# Altium PCB LV_breakout_1.PcbDoc (continued)
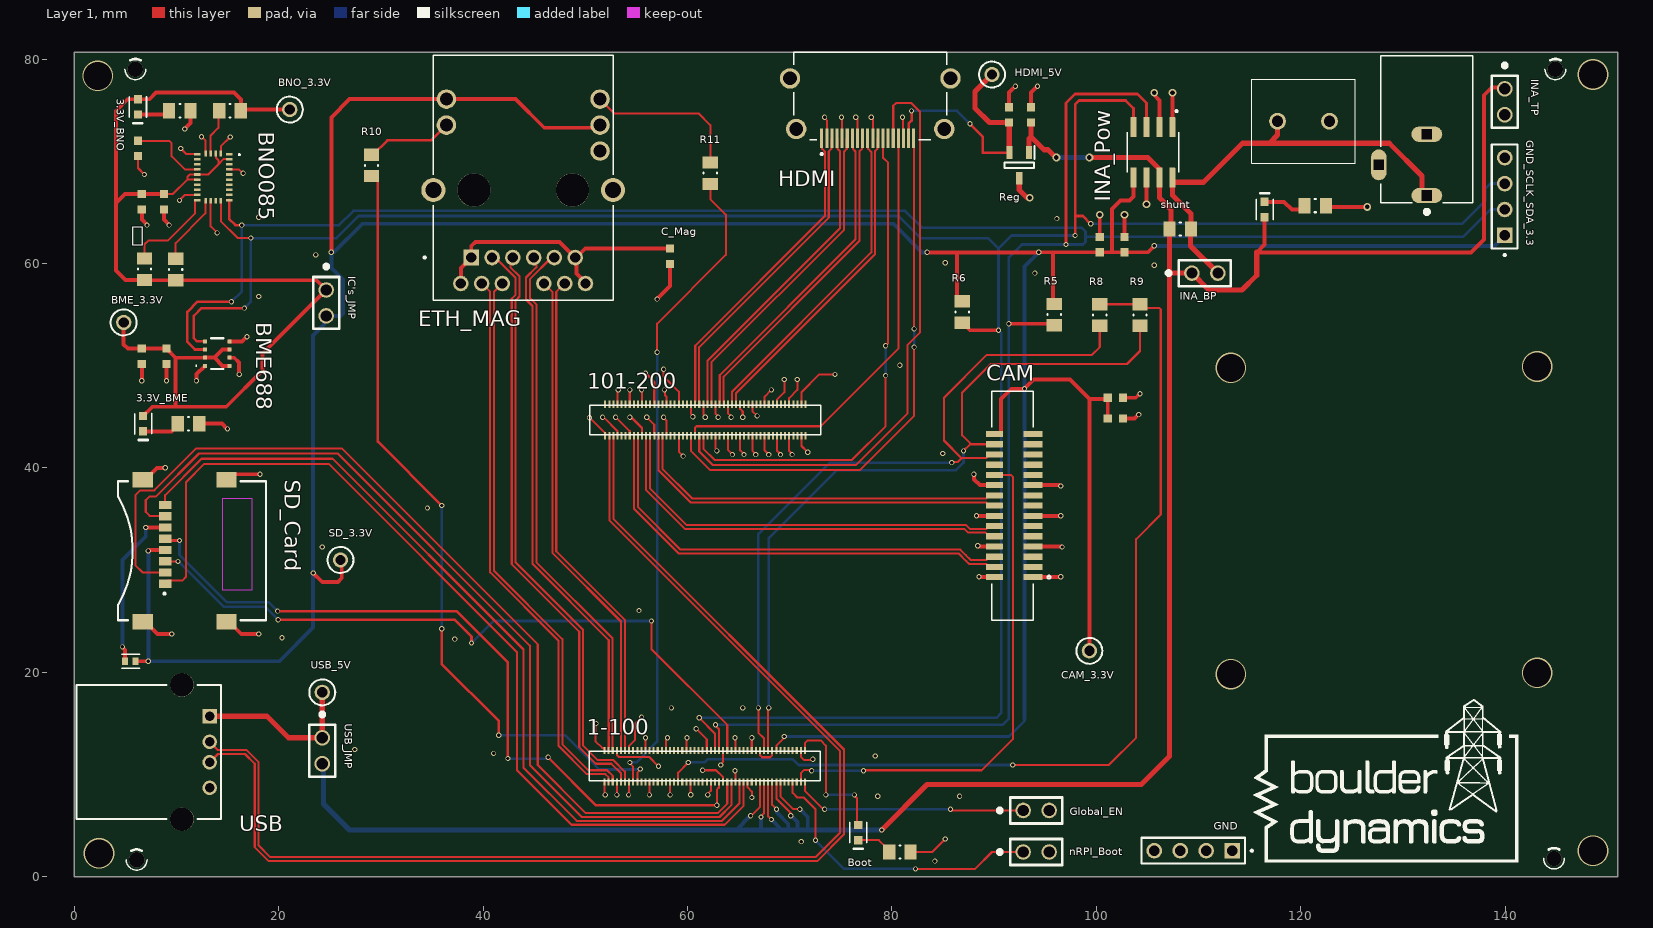
[diagram p0: Layer 1 view]
## Part data (continued)
GND GND_SCLK_SDA_3.3: library part JM_4_PIN_MALE, "Square Pins 2.5mm 6mm -40℃~+105℃ 1 4 3mm 2.54mm Black 1x4P Straight,P=2.54mm  Pin Headers ROHS", LCSC Part#=C2691448, MFR Part #=PZ254V-11-04P, MP=TSW-104-14-S-S
H? H? H? H?: library part H_StencilAllignment_1.5mm, "Stencil Allignment hole for use with 1.5mm pin"
HDMI: "HDMI, Input Output Connectors, Receptacle, Type A, Right Angle, Surface Mount, 19 Positions.", Package=None, Check_prices=https://www.snapeda.com/parts/10029449-111RLF/Amphenol/view-part/?ref=eda, MF="AMPHENOL ICC / FCI", MP=10029449-111RLF, SnapEDA_Link=https://www.snapeda.com/parts/10029449-111RLF/Amphenol/view-part/?ref=snap
INA_Pow: "26V, 12-bit, i2c output current/voltage/power monitor 8-SOIC -40 to 125", Package="SOIC-8 Texas Instruments", Availability=Warning, Check_prices=https://www.snapeda.com/parts/INA219AID/Texas%20Instruments/view-part/522322/?ref=eda, MF="Texas Instruments", MP=INA219AID, Price=None, Purchase-URL=https://pricing.snapeda.com/search/part/INA219AID/?ref=eda, SnapEDA_Link=https://www.snapeda.com/parts/INA219AID/Texas%20Instruments/view-part/522322/?ref=snap
J?: "2.0 x 6.5 mm, 2.5 A, Horizontal, Through Hole, Tapered Pins, Dc Power Jack Connector", Package=None, Availability="In Stock", Check_prices=https://www.snapeda.com/parts/PJ-102A/CUI+Devices/view-part/?ref=eda, CUI_purchase_URL=https://www.cuidevices.com/product/interconnect/connectors/dc-power-connectors/jacks/pj-102a?utm_source=snapeda.com&utm_medium=referral&utm_campaign=snapedaBOM, MF="CUI Devices", MP=PJ-102A, Price=None, Purchase-URL=https://pricing.snapeda.com/search/part/PJ-102A/?ref=eda, SnapEDA_Link=https://www.snapeda.com/parts/PJ-102A/CUI+Devices/view-part/?ref=snap
Reg: "IC PWR SWITCH N-CHAN 1:1 SOT23-3", Manufacturer_Name=RICHTEK, Datasheet Link=https://datasheet.lcsc.com/szlcsc/Richtek-Tech-RT9742ANGJ5F_C147955.pdf, Geometry.Height=1.295mm, Manufacturer_Part_Number=RT9742SNGV
SD_Card: "Micro SD Memory Card ConnectorSMT, Hinged, 1.80mm Profile", Package=None, Availability=Unavailable, MP=MEM2067-02-180-00-A_REVB, Price=None
USB: "USB-A (USB TYPE-A) - Receptacle Connector 4 Position Through Hole, Right Angle", Package=None, Availability="In Stock", Check_prices=https://www.snapeda.com/parts/USB-A1HSW6/On+Shore+Technology+Inc./view-part/?ref=eda, MF="On Shore", MP=USB-A1HSW6, Price=None, Purchase-URL=https://pricing.snapeda.com/search/part/USB-A1HSW6/?ref=eda, SnapEDA_Link=https://www.snapeda.com/parts/USB-A1HSW6/On+Shore+Technology+Inc./view-part/?ref=snap
?: "Fixed Terminal Blocks 5.08MM PCB MOUNT 2P", Manufacturer_Name="TE Connectivity", Mouser Part Number=571-2828372, Arrow Part Number=282837-2, Arrow Price/Stock=https://www.arrow.com/en/products/282837-2/te-connectivity?region=europe, Datasheet Link=https://www.te.com/commerce/DocumentDelivery/DDEController?Action=srchrtrv&DocNm=282837&DocType=Customer+Drawing&DocLang=English&DocFormat=pdf&PartCntxt=282837-2, Geometry.Height=10.3mm, Manufacturer_Part_Number=282837-2, Mouser Price/Stock=https://www.mouser.co.uk/ProductDetail/TE-Connectivity/282837-2?qs=A%252Bip%252BNCYi6O2H0NGWOeAxg%3D%3D
?: library part C_10uF_0402, "10uF ±20% 6.3V X5R 0402 Multilayer Ceramic Capacitors MLCC - SMD/SMT RoHS", LCSC Part#=C15525, MFR Part #=CL05A106MQ5NUNC, Datasheet=https://datasheet.lcsc.com/lcsc/1810191215_Samsung-Electro-Mechanics-CL05A106MQ5NUNC_C15525.pdf, Type=Basic

## Via types
v1: diameter 0.508, hole 0.33, Layer 1 to Layer 4, 178 vias
v2: diameter 0.762, hole 0.457, Layer 1 to Layer 4, 9 vias
v3: diameter 3, hole 2.75, Layer 1 to Layer 4, 8 vias
v4: diameter 1.5, hole 1.5, Layer 1 to Layer 4, 4 vias

## Nets (pads, with @x,y where several pads share a name; then routed paths per layer and width w, separated by ;. In a path a pad name is that pad's centre, name@x,y a point inside that pad or via, vN(x,y) a via of type N, cw(c..) or ccw(c..) an arc to the next point about the centre after c; other vN are vias at no path point)
CAM1_C_N: 101-200.27 CAM.8_1 | length 37.7
  Layer 1 w0.203: 101-200.27 57.143,42.901 57.152,42.892 57.152,40.973 57.153,39.749 60.285,36.616 78.74,36.616 78.867,36.616 79.756,36.616 83.058,36.616 89.209,36.616 89.518,36.307 CAM.8_1
CAM1_C_P: 101-200.29 CAM.9_1 | length 37.1
  Layer 1 w0.203: 101-200.29 57.543,42.901 57.533,42.892 57.533,41.131 57.534,39.906 60.442,36.997 78.74,36.997 78.867,36.997 87.101,36.997 89.006,36.997 89.208,36.997 89.518,37.307 CAM.9_1
CAM1_D0_N: 101-200.15 CAM.2_1 | length 44.8
  Layer 1 w0.203: 101-200.15 54.743,42.901 54.752,42.892 54.752,36.022 59.151,31.623 77.343,31.623 77.597,31.623 77.851,31.623 78.994,31.623 86.524,31.623 87.279,30.868 87.54,30.607 89.218,30.607 89.518,30.307 CAM.2_1
CAM1_D0_P: 101-200.17 CAM.3_1 | length 44.2
  Layer 1 w0.203: 101-200.17 55.143,42.901 55.133,42.892 55.133,36.18 59.309,32.004 77.343,32.004 77.597,32.004 86.682,32.004 87.236,31.45 87.698,30.988 89.199,30.988 89.518,31.307 89.776,31.307 CAM.3_1
CAM1_D1_N: 101-200.21 CAM.5_1 | length 41.3
  Layer 1 w0.203: 101-200.21 55.943,42.696 55.953,42.687 55.953,37.815 59.732,34.036 78.232,34.036 79.248,34.036 87.078,34.036 87.459,33.655 89.17,33.655 89.518,33.307 CAM.5_1
CAM1_D1_P: 101-200.23 CAM.6_1 | length 40.6
  Layer 1 w0.203: 101-200.23 56.343,42.696 56.334,42.687 56.334,37.973 59.89,34.417 78.232,34.417 79.248,34.417 87.236,34.417 87.617,34.036 89.247,34.036 89.268,34.057 89.518,34.307 CAM.6_1
CAM_GPIO: 1-100.97 CAM.11_1 | length 50.5
  Layer 1 w0.203: 1-100.97 71.081,10.121 71.382,10.422 72.078,10.422 v1(72.136,10.363) ; v1(77.216,10.363) 77.267,10.414 88.773,10.414 91.821,13.462 91.821,39.116 91.63,39.307 CAM.11_1
  Layer 4 w0.254: v1(72.136,10.363) v1(77.216,10.363)
CM4_3.3V: 1-100.86 ?.1@100.33,61.099 ?.1@101.104,44.831 ?.1@101.116,46.863 ?.1@102.743,61.099 ?.2@5.969,21.082 CAM.15_1 CAM_3.3V.1 ETH_MAG.14 ETH_MAG.16 GND_SCLK_SDA_3.3.01 IC's_JMP.2 INA_Pow.5 R5.1 R6.1 SD_3.3V.1 SD_Card.4 | length 368.8
  Layer 1 w0.203: 1-100.86 1-100.86 68.683,12.798 69.411,13.526 69.411,13.658 v1(69.469,13.716)
  Layer 1 w0.381: ?.2@5.969,21.082 v1(7.239,21.082) ; v1(7.239,31.877) 7.273,31.877 7.359,31.963 SD_Card.4 ; v1(23.368,29.718) 24.257,28.829 25.781,28.829 26.162,29.21 26.162,30.861 SD_3.3V.1 ; v1(25.146,61.087) 25.146,74.295 26.924,76.073 ETH_MAG.14 43.18,76.073 45.974,73.279 51.181,73.279 ETH_MAG.16 ; v1(83.439,61.087) 86.36,61.087 ; R6.1 86.77,56.295 86.36,56.705 86.36,61.087 ; CAM.15_1 90.568,43.307 90.677,43.416 90.677,46.735 91.67,47.728 92.94,47.728 v1(92.964,47.752) 93.853,48.641 97.409,48.641 99.314,46.736 ; R5.1@96.012,56.168 95.758,56.422 95.758,61.093 ; CAM_3.3V.1 99.314,46.736 ; ?.1@101.104,44.831 101.11,44.837 ?.1@101.11,46.857 ; ?.1@101.116,46.863 ?.1@101.11,46.857 ; INA_Pow.5@103.632,68.523 INA_Pow.5 103.632,66.548 103.251,66.167 102.362,66.167 101.536,65.341 101.536,61.099 ; v1(105.664,61.722) 105.041,61.099 102.743,61.099 101.536,61.099 ; 86.36,61.087 v1(94.361,61.087) 94.367,61.093 95.758,61.093 ; 95.758,61.093 100.324,61.093 100.33,61.099 101.536,61.099 ; 99.314,46.736 100.989,46.736 ?.1@101.11,46.857
  Layer 4 w0.254: v1(69.469,13.716) 91.44,13.716 92.964,15.24 92.964,15.494
  Layer 4 w0.381: v1(7.239,31.877) v1(7.239,21.082) 20.066,21.082 23.368,24.384 v1(23.368,29.718) 23.368,52.959 24.419,54.01 24.419,54.645 IC's_JMP.2 26.066,54.864 26.289,55.087 26.289,58.42 25.146,59.563 v1(25.146,61.087) 25.17,61.111 25.424,61.111 28.194,63.881 80.137,63.881 82.931,61.087 v1(83.439,61.087) ; 92.964,15.494 92.964,59.69 v1(94.361,61.087) ; v1(105.664,61.722) 138.938,61.722 GND_SCLK_SDA_3.3.01
ETH_GRE_LED: 1-100.15 R11.1 | length 63.5
  Layer 1 w0.203: v1(54.356,11.176) 54.356,11.094 54.681,10.769 1-100.15 ; v1(57.023,51.308) 57.023,54.102 63.754,60.833 63.754,64.77 62.23,66.294 R11.1
  Layer 4 w0.254: v1(54.356,11.176) 54.991,11.176 57.023,13.208 v1(57.023,51.308)
ETH_PAIR0_N: 1-100.10 ETH_MAG.10 | length 48.8
  Layer 1 w0.203: ETH_MAG.10 46.774,57.213 46.774,31.681 53.491,24.965 53.491,12.607 53.481,12.598 1-100.10
ETH_PAIR0_P: 1-100.12 ETH_MAG.11 | length 48.8
  Layer 1 w0.203: ETH_MAG.11 47.155,57.213 47.155,31.839 53.872,25.122 53.872,12.607 53.881,12.598 1-100.12
ETH_PAIR1_N: 1-100.6 ETH_MAG.5 | length 52.7
  Layer 1 w0.203: ETH_MAG.5 46.69,60.579 44.577,58.466 44.577,56.625 45.212,55.99 45.212,53.721 45.212,30.765 52.671,23.305 52.671,12.607 52.681,12.598 1-100.6
ETH_PAIR1_P: 1-100.4 ETH_MAG.4 | length 52.3
  Layer 1 w0.203: ETH_MAG.4 45.208,60.579 45.185,60.557 45.185,59.817 45.203,59.8 45.203,59.631 44.196,58.624 44.196,56.467 44.831,55.832 44.831,54.864 44.831,53.721 44.831,53.467 44.831,30.607 52.29,23.148 52.29,12.607 52.281,12.598 1-100.4
ETH_PAIR2_N: 1-100.9 ETH_MAG.2 | length 57.9
  Layer 1 w0.203: ETH_MAG.2 41.179,60.579 43.18,58.578 43.18,56.927 42.799,56.546 42.799,30.576 49.403,23.972 49.403,12.669 51.023,11.049 52.548,11.049 53.491,10.107 53.491,9.527 53.481,9.518 1-100.9
ETH_PAIR2_P: 1-100.11 ETH_MAG.3 | length 57.5
  Layer 1 w0.203: ETH_MAG.3 42.59,60.579 42.666,60.503 42.666,59.631 43.561,58.736 43.561,56.769 43.18,56.388 43.18,56.007 43.18,53.975 43.18,53.848 43.18,30.734 49.784,24.13 49.784,12.827 51.181,11.43 52.706,11.43 53.872,10.264 53.872,9.527 53.881,9.518 1-100.11
ETH_PAIR3_N: 1-100.5 ETH_MAG.9 | length 55
  Layer 1 w0.203: ETH_MAG.9 41.059,57.213 41.059,29.934 47.752,23.241 47.752,12.954 50.292,10.414 52.122,10.414 52.679,9.857 52.679,9.273 1-100.5
ETH_PAIR3_P: 1-100.3 ETH_MAG.8 | length 55
  Layer 1 w0.203: ETH_MAG.8 40.678,57.213 40.678,29.776 47.371,23.083 47.371,12.796 50.134,10.033 51.964,10.033 52.279,9.718 52.279,9.273 1-100.3
ETH_YEL_LED: 1-100.17 R10.1 | length 76.6
  Layer 1 w0.203: 1-100.17 55.081,10.168 55.372,10.459 v1(55.372,10.541)
  Layer 1 w0.254: R10.1 29.233,68.546 29.706,68.073 29.706,42.557 v1(35.941,36.322) ; v1(35.941,24.257) 35.941,20.828 41.529,15.24 v1(41.529,13.843)
  Layer 4 w0.254: v1(35.941,24.257) v1(35.941,36.322) ; v1(41.529,13.843) 48.006,13.843 51.359,10.49 54.841,10.49 54.844,10.492 55.323,10.492 v1(55.372,10.541)
Global_EN: 1-100.99 Global_EN.1 | length 23
  Layer 1 w0.203: 1-100.99 71.481,8.402 73.279,6.604 v1(73.406,6.604) ; v1(85.725,6.604) 85.807,6.604 85.934,6.477 Global_EN.1
  Layer 4 w0.254: v1(73.406,6.604) v1(85.725,6.604)
GND: 1-100.1 1-100.2 1-100.7 1-100.8 1-100.13 1-100.14 1-100.22 1-100.23 1-100.32 1-100.33 1-100.42 1-100.43 1-100.52 1-100.53 1-100.59 1-100.60 1-100.65 1-100.66 1-100.71 1-100.74 1-100.98 101-200.1 101-200.7 101-200.8 101-200.13 101-200.14 101-200.19 101-200.20 101-200.25 101-200.26 101-200.31 101-200.32 101-200.37 101-200.38 101-200.44 101-200.50 101-200.55 101-200.56 101-200.61 101-200.62 101-200.67 101-200.68 101-200.73 101-200.74 101-200.79 101-200.80 101-200.85 101-200.86 101-200.91 101-200.92 101-200.97 101-200.98 ?.1@11.371,74.93 ?.2@6.223,70.497 ?.2@6.604,50.165 ?.2@6.604,65.29 ?.2@8.763,65.29 ?.2@9.017,50.165 ?.2@12.226,44.323 ?.2@81.822,2.413 ?.2@91.44,75.287 ?.2@93.599,75.287 ?.2@100.33,62.599 ?.2@102.604,44.831 ?.2@102.616,46.863 ?.2@102.743,62.599 ?.2@122.462,65.659 ?.2@122.809,73.914 BME688.1 BME688.5 BME688.7 BNO085.2 BNO085.5 BNO085.6 BNO085.14 BNO085.17 BNO085.26 C_Mag.2 CAM.1 CAM.1_1 CAM.4 CAM.4_1 CAM.7 CAM.7_1 CAM.10 CAM.10_1 ETH_MAG.S1 ETH_MAG.S2 Global_EN.2 GND.01 GND.02 GND.03 GND.04 GND_SCLK_SDA_3.3.04 HDMI.2 HDMI.5 HDMI.8 HDMI.11 HDMI.17 HDMI.S1 HDMI.S2 HDMI.S3 HDMI.S4 INA_Pow.1 INA_Pow.2 INA_Pow.6 INA_TP.2 J?.2 nRPI_Boot.2 Reg.3 SD_Card.9 SD_Card.10 SD_Card.11 SD_Card.12 USB.4 | length 215.1
  Layer 1 w0.203: ?.2@6.223,70.497 6.223,69.342 v1(6.858,68.707) ; v1(10.287,66.167) 10.823,66.703 BNO085.14 ; v1(10.414,71.247) 10.958,70.703 BNO085.6 ; v1(12.446,72.39) 12.446,72.386 12.839,71.993 BNO085.5 ; BNO085.17 13.339,63.623 v1(13.97,62.992) ; BNO085.2 14.339,71.461 v1(15.254,72.376) ; BNO085.26 16.089,69.203 16.458,68.834 v1(16.51,68.834) ; v1(50.394,44.9) 50.438,44.9 51.943,43.395 101-200.1 ; v1(51.054,14.986) 50.996,14.928 50.996,14.725 50.985,14.715 50.985,13.269 51.655,12.599 51.879,12.599 51.881,12.598 1-100.2 ; v1(51.689,44.958) 51.747,44.9 51.836,44.9 53.141,43.595 53.141,43.15 101-200.7 ; 1-100.1 51.881,8.145 51.943,8.083 v1(51.943,8.001) ; v1(52.959,44.958) 52.978,44.958 54.341,43.595 54.341,43.15 101-200.13 ; 1-100.8@53.079,12.349 1-100.8 53.083,12.349 53.083,11.904 53.265,11.722 56.223,11.722 v1(57.15,10.795) ; 1-100.7 53.083,9.269 53.083,8.004 v1(53.086,8.001) ; 101-200.8 53.143,47.473 53.213,47.543 v1(53.213,47.625) ; v1(54.229,8.001) 54.279,8.051 54.279,9.269 1-100.13 ; 1-100.14 54.281,12.796 54.864,13.379 54.864,14.986 v1(55.499,15.621) ; 101-200.14 54.345,46.23 54.345,47.614 v1(54.356,47.625) ; v1(54.356,44.958) 54.438,44.958 54.567,44.83 54.611,44.83 55.543,43.898 101-200.19 ; v1(55.499,47.625) 55.541,47.583 55.541,46.23 101-200.20 ; 1-100.22 v1(55.88,13.589) ; v1(55.88,49.276) 56.743,48.413 101-200.26 ; v1(56.007,44.958) 56.743,44.222 101-200.25 ; v1(56.261,8.001) 56.279,8.019 56.279,9.269 1-100.23 ; v1(57.658,44.958) 57.658,44.876 57.943,44.591 101-200.31 ; v1(57.658,49.657) 57.658,48.94 59.143,47.455 101-200.38 ; v1(57.734,47.625) 57.793,47.567 57.793,47.113 57.941,46.965 57.941,46.23 101-200.32 ; 1-100.32 57.881,13.349 58.039,13.507 v1(58.039,13.589) ; 1-100.33 58.283,9.269 58.283,8.011 v1(58.293,8.001) ; 101-200.37 59.143,41.568 v1(59.563,41.148) ; 1-100.42 59.881,13.444 59.944,13.507 v1(59.944,13.589) ; 1-100.43 60.283,9.269 60.283,8.043 v1(60.304,8.022) ; 101-200.44 60.343,45.254 60.521,45.077 v1(60.521,44.994) ; v1(60.833,14.478) 61.879,13.432 61.879,12.353 1-100.52 ; v1(61.468,10.414) 62.783,10.414 63.479,9.718 63.479,9.273 1-100.59 ; 101-200.50 61.543,45.219 61.722,45.04 v1(61.722,44.958) ; v1(61.976,8.001) 61.976,8.083 62.281,8.388 1-100.53 ; 101-200.55 62.743,41.86 62.865,41.738 v1(62.865,41.656) ; 101-200.56 62.743,45.289 62.992,45.04 v1(62.992,44.958) ; v1(63.246,10.922) 63.246,11.004 63.481,11.239 1-100.60 ; 101-200.61 63.943,41.788 64.389,41.342 v1(64.389,41.3) ; 101-200.62 63.943,45.359 64.262,45.04 v1(64.262,44.958) ; v1(64.643,10.363) 64.679,10.327 64.679,9.273 1-100.65 ; v1(64.643,13.589) 64.679,13.553 64.679,12.353 1-100.66 ; 101-200.67 65.143,41.715 65.519,41.339 v1(65.519,41.3) ; 101-200.68 65.145,46.226 65.145,45.774 65.402,45.517 65.402,44.961 v1(65.405,44.958) ; 1-100.71 65.883,9.269 65.883,8.737 66.294,8.325 v1(66.294,7.747) ; 1-100.74 66.283,12.353 66.283,13.578 v1(66.294,13.589) ; 101-200.73 66.343,41.689 66.675,41.357 v1(66.675,41.3) ; 101-200.74 66.343,45.544 v1(66.802,45.085) ; 101-200.79 67.543,41.702 v1(67.945,41.3) ; 101-200.80 67.543,46.969 v1(68.199,47.625) ; 101-200.85 68.743,41.702 69.088,41.357 v1(69.088,41.3) ; 101-200.86 68.745,46.23 68.745,46.675 69.469,47.399 v1(69.469,48.641) ; 101-200.91 69.943,41.645 70.231,41.357 v1(70.231,41.3) ; 101-200.92 69.943,46.829 70.739,47.625 v1(70.739,48.641) ; 1-100.98 71.081,11.723 71.374,11.43 72.212,11.43 v1(72.263,11.481) ; 101-200.97 71.143,42.141 v1(71.755,41.529) ; 101-200.98 71.143,47.394 72.898,49.149 v1(74.422,49.149) ; v1(73.406,74.295) 73.406,74.213 73.625,73.994 HDMI.2 ; v1(75.057,74.295) 75.091,74.261 75.091,72.289 HDMI.5 ; v1(76.454,74.295) 76.454,74.213 76.625,74.042 HDMI.8 ; v1(77.978,74.295) 77.978,74.213 78.125,74.066 HDMI.11 ; v1(81.026,74.295) 81.077,74.244 81.077,72.303 HDMI.17 ; ?.2@81.822,2.413 83.947,2.413 v1(85.217,3.683)
  Layer 1 w0.381: v1(6.604,48.514) ?.2@6.604,50.165 ; ?.2@6.604,65.29 6.604,64.296 7.112,63.788 v1(7.112,63.754) ; SD_Card.12 6.94,24.943 8.134,23.749 v1(9.525,23.749) ; SD_Card.9 6.94,38.833 8.088,39.981 8.866,39.981 v1(8.89,40.005) ; ?.2@8.763,65.29 8.763,64.296 9.271,63.788 v1(9.271,63.754) ; v1(9.017,48.514) ?.2@9.017,50.165 ; v1(10.795,73.152) 11.371,73.728 ?.1@11.371,74.93 ; v1(11.938,48.514) 11.962,48.538 11.962,49.173 BME688.1 ; ?.2@12.226,44.323 14.444,44.323 14.952,43.815 v1(14.986,43.815) ; SD_Card.11 15.14,24.943 16.334,23.749 v1(18.034,23.749) ; SD_Card.10 15.427,39.37 v1(18.161,39.37) ; BME688.7 15.179,50.772 15.649,50.772 16.129,50.292 v1(16.129,49.149) ; BME688.5 16.406,52.381 16.857,52.832 v1(16.891,52.832) ; v1(57.023,56.515) 58.293,57.785 C_Mag.2 ; v1(88.011,39.37) 88.035,39.346 88.035,38.872 88.6,38.307 CAM.10_1 ; v1(88.265,35.306) CAM.7_1 ; v1(88.392,32.385) 88.426,32.385 88.504,32.307 CAM.4_1 ; v1(88.519,29.337) 88.534,29.322 90.028,29.322 CAM.1_1 ; ?.2@91.44,75.287 91.44,76.708 v1(92.075,77.343) ; ?.2@93.599,75.287 93.599,76.708 v1(94.234,77.343) ; CAM.1 93.808,29.322 96.505,29.322 v1(96.52,29.337) ; CAM.4 96.564,32.307 96.613,32.258 v1(96.647,32.258) ; CAM.7@93.793,35.307 v1(96.52,35.306) ; CAM.10 96.406,38.307 96.486,38.227 v1(96.52,38.227) ; ?.2@100.33,62.599 v2(100.33,64.77) ; ?.2@102.604,44.831 103.725,44.831 104.106,45.212 v1(104.14,45.212) ; ?.2@102.616,46.863 103.852,46.863 104.233,47.244 v1(104.267,47.244) ; ?.2@102.743,62.599 v2(102.743,64.77) ; v2(104.902,65.786) INA_Pow.6@104.902,68.523 ; v2(105.664,76.708) 105.664,76.467 106.172,75.959 INA_Pow.2@106.172,73.463 ; INA_Pow.1@107.442,73.463 v2(107.442,76.708) ; ?.2@122.462,65.659 122.589,65.532 v2(126.492,65.532)
  Layer 1 w0.508: Reg.3 92.456,67.183 93.218,66.421 v2(93.472,66.421) ; v2@126.428,65.596 v2(126.492,65.532)
  other v1: 84.201,1.524 71.12,3.429 78.613,7.874 86.614,7.874 78.359,11.811 41.021,12.065 27.432,12.446 58.42,16.51 65.405,16.51 37.211,23.241 20.32,23.368 55.245,26.035 24.257,32.258 34.544,36.068 84.963,41.402 80.772,50.038 18.034,56.769 93.98,59.055 105.664,59.817 85.217,60.071 23.622,60.833 96.139,64.389 18.034,64.516
GPIO7_REF: 1-100.37 R8.2 R9.2 | length 96.7
  Layer 1 w0.203: 1-100.37 59.081,10.186 v1(60.071,11.176) ; v1(91.821,10.922) 101.219,10.922 103.886,13.589 103.886,33.02 106.299,35.433 106.299,55.507 106.18,55.626 104.648,55.626 R9.2 R8.2
  Layer 4 w0.254: v1(60.071,11.176) 61.656,11.176 61.961,11.481 70.307,11.481 70.866,10.922 v1(91.821,10.922)
GPIO_VREF: 1-100.78 1-100.84 | length 2.3
  Layer 1 w0.203: 1-100.78 67.081,11.906 67.303,11.684 68.072,11.684 68.279,11.891 68.279,12.349 1-100.84
HDMI1_CEC: 101-200.49 HDMI.13 | length 49.4
  Layer 1 w0.203: 101-200.49 101-200.49 61.545,41.864 62.642,40.767 76.073,40.767 79.375,44.069 v1(79.375,49.022) ; HDMI.13 79.121,72.251 79.121,70.358 79.629,69.85 79.629,52.214 79.375,51.96 v1(79.375,51.943)
  Layer 4 w0.254: v1(79.375,49.022) v1(79.375,51.943)
HDMI1_CK_N: 101-200.66 HDMI.12 | length 31.8
  Layer 1 w0.203: 101-200.66 64.743,46.475 64.734,46.484 64.734,47.304 78.359,60.929 78.359,70.994 78.577,71.211 78.577,71.335 78.577,72.207 HDMI.12
HDMI1_CK_P: 101-200.64 HDMI.10 | length 31.8
  Layer 1 w0.203: 101-200.64 64.343,46.475 64.353,46.484 64.353,47.462 77.978,61.087 77.978,70.907 77.673,71.211 77.673,72.207 HDMI.10
HDMI1_D0_N: 101-200.60 HDMI.9 | length 31.7
  Layer 1 w0.203: 101-200.60 63.543,46.475 63.534,46.484 63.534,48.917 76.816,62.199 76.816,70.95 77.077,71.211 77.077,72.207 HDMI.9
HDMI1_D0_P: 101-200.58 HDMI.7 | length 31.7
  Layer 1 w0.203: 101-200.58 63.143,46.475 63.153,46.484 63.153,49.075 76.435,62.357 76.435,70.95 76.173,71.211 76.173,72.207 HDMI.7
HDMI1_D2_N: 101-200.48 HDMI.3 | length 31.4
  Layer 1 w0.203: 101-200.48 61.143,46.475 61.134,46.484 61.134,51.803 73.816,64.485 73.816,70.95 74.077,71.211 74.077,72.207 HDMI.3
HDMI1_D2_P: 101-200.46 HDMI.1 | length 31.4
  Layer 1 w0.203: 101-200.46 60.743,46.475 60.753,46.484 60.753,51.961 73.435,64.643 73.435,70.95 73.173,71.211 73.173,72.207 HDMI.1
HDMI1_HOTPLUG: 101-200.43 HDMI.19 | length 53.5
  Layer 1 w0.203: 101-200.43 60.343,41.638 62.205,39.776 76.86,39.776 82.169,45.085 v1(82.169,51.816) ; HDMI.19 82.147,72.233 82.147,53.616 v1(82.169,53.594) v1@82.198,53.623
  Layer 4 w0.254: v1(82.169,51.816) v1(82.169,53.594)
HDMI1_SCL: 101-200.47 HDMI.15 | length 60.8
  Layer 1 w0.203: 101-200.47 61.143,41.6 62.484,40.259 76.454,40.259 81.534,45.339 81.534,52.039 82.728,53.233 82.728,74.872 81.907,75.692 80.391,75.692 80.125,75.426 HDMI.15
HDMI1_SDA: 101-200.45 HDMI.16 | length 44.5
  Layer 1 w0.203: 101-200.45 60.743,43.95 60.862,44.069 73.025,44.069 80.645,51.689 80.645,72.235 HDMI.16
HDMI_5V: ?.1@91.44,73.787 HDMI.18 HDMI_5V.1 Reg.2 | length 25.8
  Layer 1 w0.254: HDMI.18 81.625,73.687 81.915,73.977 v1(81.915,74.93) ; v1(87.63,73.66) 88.88,72.41 88.88,70.846 Reg.2
  Layer 1 w0.508: HDMI_5V.1 88.138,76.835 88.138,75.184 89.535,73.787 91.44,73.787 91.472,73.755 91.472,70.878 Reg.2
  Layer 4 w0.254: v1(81.915,74.93) 86.36,74.93 v1(87.63,73.66)
HDMI_D1_N: 101-200.54 HDMI.6 | length 31.5
  Layer 1 w0.203: 101-200.54 62.343,46.475 62.333,46.484 62.333,50.33 75.316,63.312 75.316,70.231 75.316,70.739 75.316,70.95 75.577,71.211 75.577,72.207 HDMI.6
HDMI_D1_P: 101-200.52 HDMI.4 | length 31.5
  Layer 1 w0.203: 101-200.52 61.943,46.475 61.952,46.484 61.952,50.488 74.935,63.47 74.935,69.596 74.935,70.104 74.935,70.231 74.935,70.739 74.935,70.95 74.673,71.211 74.673,72.207 HDMI.4
I2C_CAM_SCLK: 1-100.80 CAM.13_1 R8.1 | length 73.8
  Layer 1 w0.203: v1(66.929,16.51) 66.929,14.097 67.481,13.545 1-100.80 ; v1(85.852,40.513) 85.903,40.564 86.411,40.564 86.804,40.957 ; CAM.13_1 89.518,41.307 89.32,41.109 89.32,41.077 89.201,40.957 86.804,40.957 ; R8.1 100.33,51.816 99.568,51.054 89.281,51.054 85.09,46.863 85.09,42.672 86.804,40.957
  Layer 4 w0.254: v1(66.929,16.51) 66.929,33.528 73.914,40.513 v1(85.852,40.513)
I2C_CAM_SDA: 1-100.82 CAM.14_1 R9.1 | length 74.5
  Layer 1 w0.203: 1-100.82 67.881,16.364 67.945,16.428 v1(67.945,16.51) ; v1(86.995,41.656) 87.646,42.307 87.741,42.307 ; CAM.14_1 87.741,42.307 ; R9.1@104.117,53.907 R9.1 104.267,51.435 102.997,50.165 89.662,50.165 86.868,47.371 86.868,43.18 87.741,42.307
  Layer 4 w0.254: v1(67.945,16.51) 67.945,33.147 74.549,39.751 86.233,39.751 86.995,40.513 v1(86.995,41.656)
I2C_SCLK: 1-100.56 BME688.4 BNO085.19 GND_SCLK_SDA_3.3.03 INA_Pow.4 R6.2 | length 253.2
  Layer 1 w0.203: BNO085.19 14.339,64.147 16.002,62.484 v1(17.272,62.484) ; v1(61.136,15.543) 62.681,13.997 1-100.56
  Layer 1 w0.254: BME688.4 12.008,52.381 11.684,52.705 11.684,54.864 12.446,55.626 v1(16.637,55.626) ; v1(97.917,62.738) 97.917,64.77 ; v1(99.441,63.881) 98.679,64.643 98.044,64.643 97.917,64.77 ; INA_Pow.4@103.632,73.463 103.632,75.173 102.859,75.946 98.298,75.946 97.917,75.565 97.917,64.77
  Layer 1 w0.381: R6.2 87.018,54.195 87.428,53.785 87.428,53.69 87.651,53.467 v1(90.424,53.467)
  Layer 4 w0.254: v1(16.637,55.626) 17.272,56.261 v1(17.272,62.484) 25.654,62.484 27.813,64.643 80.645,64.643 82.804,62.484 89.408,62.484 90.424,61.468 ; v1(61.136,15.543) 90.219,15.543 90.678,16.002 90.678,53.191 90.424,53.445 90.424,61.468 ; v1(97.917,62.738) 91.694,62.738 90.424,61.468 ; v1(99.441,63.881) 135.763,63.881 138.049,66.167 138.049,67.31 138.557,67.818 GND_SCLK_SDA_3.3.03
I2C_SDA: 1-100.58 BME688.3 BNO085.20 GND_SCLK_SDA_3.3.02 INA_Pow.3 R5.2 | length 262.1
  Layer 1 w0.203: v1(62.738,14.859) 62.738,14.777 63.081,14.434 1-100.58
  Layer 1 w0.254: BME688.3 11.792,51.581 11.049,52.324 11.049,55.245 12.065,56.261 v1(15.367,56.261) ; BNO085.20 15.152,64.35 15.748,63.754 v1(16.383,63.754) ; v1(97.028,61.849) 97.028,75.692 97.917,76.581 104.013,76.581 104.902,75.692 INA_Pow.3@104.902,73.463
  Layer 1 w0.381: v1(91.44,54.102) 95.978,54.102 R5.2@96.012,54.068
  Layer 4 w0.254: v1(15.367,56.261) 16.383,57.277 v1(16.383,63.754) 25.908,63.754 27.305,65.151 81.28,65.151 82.931,63.5 98.552,63.5 98.933,63.119 98.933,62.611 ; v1(62.738,14.859) 90.805,14.859 91.44,15.494 v1(91.44,54.102) 91.44,60.579 92.71,61.849 v1(97.028,61.849) 98.679,61.849 98.933,62.103 98.933,62.611 ; GND_SCLK_SDA_3.3.02 138.557,65.278 135.89,62.611 98.933,62.611
IC_POW: 3.3V_BME.1 3.3V_BNO.1 .1 ?.1@6.604,51.665 ?.1@6.604,66.79 ?.1@8.763,66.79 ?.1@9.017,51.665 ?.1@9.906,58.352 BME688.2 BME688.6 BME688.8 BME_3.3V.1 BNO085.3 BNO085.10 BNO085.11 BNO085.28 BNO_3.3V.1 IC's_JMP.1 r.1 | length 115.3
  Layer 1 w0.203: ?.1@8.763,66.79 9.64,66.79 11.053,68.203 ; BNO085.11 11.053,68.203 ; BNO085.3 13.856,70.749 13.856,70.345 13.884,70.317 14.1,70.101 14.1,69.719 ; BNO085.28 14.584,70.203 14.1,69.719 ; 11.053,68.203 11.053,68.457 11.303,68.707 12.022,68.707 BNO085.10 13.084,68.703 14.1,69.719
  Layer 1 w0.381: BME_3.3V.1@4.699,54.356 4.699,54.102 4.826,53.975 4.826,52.07 5.231,51.665 6.604,51.665 9.017,51.665 9.906,50.776 ; 3.3V_BME.1 7.632,45.974 9.906,45.974 ; ?.1@8.763,66.79 6.604,66.79 6.592,66.802 4.953,66.802 4.064,65.913 ; BME688.8 14.497,49.981 13.697,50.781 ; BME688.6 14.497,51.581 13.697,50.781 ; r.1 16.417,75.057 BNO_3.3V.1 ; r.1@16.29,75.057 16.29,76.039 15.621,76.708 8.001,76.708 7.354,76.061 3.3V_BNO.1 5.195,76.061 4.064,74.93 4.064,65.913 ; 4.064,65.913 4.064,59.309 4.987,58.386 .1 6.892,58.352 23.69,58.352 IC's_JMP.1 18.415,51.181 18.415,49.53 14.859,45.974 9.906,45.974 ; 9.906,45.974 9.906,50.776 ; 9.906,50.776 12.765,50.776 BME688.2 13.697,50.781
Net1-100_100: 1-100.100 Boot.1 | length 13.8
  Layer 1 w0.203: 1-100.100 71.481,13.061 71.755,13.335 73.025,13.335 73.533,12.827 v1(73.533,8.001) ; v1(76.327,8.001) 76.327,7.919 76.581,7.665 76.581,5.195 Boot.1
  Layer 4 w0.254: v1(73.533,8.001) v1(76.327,8.001)
Net3.3V_BME_2: 3.3V_BME.2 ?.1@10.126,44.323 | length 3.8
  Layer 1 w0.381: 3.3V_BME.2 9.526,43.573 10.126,44.173 ?.1@10.126,44.323
Net3.3V_BNO_2: 3.3V_BNO.2 ?.2@9.271,74.93 | length 3.2
  Layer 1 w0.381: 3.3V_BNO.2 8.902,74.561 ?.2@9.271,74.93
Net?_1: ?.1@79.722,2.413 Boot.2 | length 3.6
  Layer 1 w0.203: Boot.2 78.717,3.568 79.619,2.666 ?.1@79.619,2.31
Net_1: ?.1@120.362,65.659 ?.2@116.459,66.028 | length 4.4
  Layer 1 w0.381: ?.2@116.459,66.028 118.376,66.028 119.126,65.278 119.981,65.278 ?.1@120.362,65.659
Net_1: ?.1@4.969,21.082 SD_Card.6 | length 16.1
  Layer 1 w0.381: v1(4.699,22.479) 4.699,22.445 4.969,22.175 4.969,21.082 ?.1@4.965,21.086 ; v1(6.985,34.163) SD_Card.6
  Layer 4 w0.381: v1(4.699,22.479) 4.699,30.988 6.985,33.274 v1(6.985,34.163)
Net_1: ?.1@6.223,71.997 BNO085.9 | length 7.7
  Layer 1 w0.203: ?.1@6.223,71.997 9.283,71.997 9.525,71.755 9.525,70.485 10.807,69.203 BNO085.9
Net_2: ?.2@9.906,60.452 BNO085.16 | length 6.9
  Layer 1 w0.203: ?.2@9.906,60.452 9.906,61.976 12.827,64.897 12.827,66.128 BNO085.16
Net_2: .2 BNO085.15 | length 9.1
  Layer 1 w0.203: .2 6.858,61.849 7.239,62.23 9.144,62.23 11.79,64.876 11.79,66.18 11.814,66.203 BNO085.15
NetBNO085_4: BNO085.4 r.2 | length 4.6
  Layer 1 w0.203: BNO085.4 13.339,72.521 14.097,73.279 14.097,74.964 r.2@14.19,75.057
NetC_Mag_1: C_Mag.1 ETH_MAG.1 ETH_MAG.6 ETH_MAG.7 ETH_MAG.12 | length 27.7
  Layer 1 w0.381: ETH_MAG.7 37.821,59.563 ETH_MAG.1 38.837,61.697 39.243,62.103 47.473,62.103 ETH_MAG.6 ; ETH_MAG.12 50.013,58.13 49.115,59.028 49.115,60.46 ETH_MAG.6 ; C_Mag.1 58.281,61.468 49.993,61.468 49.104,60.579 ETH_MAG.6
NetETH_MAG_13: ETH_MAG.13 R10.2 | length 8.5
  Layer 1 w0.254: R10.2 29.233,70.646 30.63,72.043 34.908,72.043 ETH_MAG.13
NetETH_MAG_17: ETH_MAG.17 R11.2 | length 15.5
  Layer 1 w0.203: ETH_MAG.17 52.832,74.676 61.087,74.676 62.23,73.533 R11.2
NetUSB_1: USB.1 USB_5V.1 USB_JMP.1 | length 16.3
  Layer 1 w0.508: USB.1 18.852,15.692 20.955,13.589 USB_JMP.1 USB_5V.1
nRPI_Boot: 1-100.93 nRPI_Boot.1 | length 29.2
  Layer 1 w0.203: 1-100.93 70.281,8.205 70.739,7.747 71.374,7.747 72.517,6.604 v1(72.517,3.556) ; v1(82.296,0.762) 88.138,0.762 89.789,2.413 nRPI_Boot.1
  Layer 4 w0.254: v1(72.517,3.556) 75.311,0.762 v1(82.296,0.762)
SD_CLK: 1-100.57 SD_Card.5 | length 73.6
  Layer 1 w0.203: v1(62.865,6.985) 62.865,8.509 63.081,8.725 1-100.57
  Layer 1 w0.254: SD_Card.5 9.06,32.893 v1(10.287,32.893) ; v1(19.89,25.986) 37.387,25.986 42.418,20.955 v1(42.418,11.557) ; v1(46.355,11.684) 51.054,6.985 v1(62.865,6.985)
  Layer 4 w0.254: v1(10.287,32.893) 10.287,31.496 14.935,26.848 19.027,26.848 v1(19.89,25.986) ; v1(42.418,11.557) 46.159,11.557 46.286,11.684 v1(46.355,11.684)
SD_CMD: 1-100.62 SD_Card.3 | length 67.9
  Layer 1 w0.203: SD_Card.3 8.906,30.847 v1(10.146,30.847) ; v1(56.464,25.019) 56.464,22.276 63.881,14.859 1-100.62
  Layer 1 w0.254: v1(19.939,25.146) 37.211,25.146 38.862,23.495 v1(38.862,22.86)
  Layer 4 w0.254: v1(10.146,30.847) 10.174,30.847 14.605,26.416 18.669,26.416 v1(19.939,25.146) ; v1(38.862,22.86) 41.021,25.019 v1(56.464,25.019)
SD_DAT0: 1-100.63 SD_Card.7 | length 86.7
  Layer 1 w0.203: SD_Card.7 8.847,35.306 7.366,35.306 6.985,35.687 6.985,36.83 7.366,37.211 8.001,37.211 12.192,41.402 25.781,41.402 44.577,22.606 44.577,10.922 49.657,5.842 63.119,5.842 64.281,7.004 1-100.63
SD_DAT1: 1-100.67 SD_Card.8 | length 82.9
  Layer 1 w0.203: SD_Card.8 8.89,37.338 12.446,40.894 25.273,40.894 43.942,22.225 43.942,10.668 49.149,5.461 63.373,5.461 65.081,7.169 1-100.67
SD_DAT2: 1-100.69 SD_Card.1 | length 91.4
  Layer 1 w0.203: SD_Card.1 9.188,28.961 10.546,28.961 10.922,29.337 10.922,38.608 12.7,40.386 24.892,40.386 43.307,21.971 43.307,10.414 48.641,5.08 63.627,5.08 65.481,6.934 1-100.69
SD_DAT3: 1-100.61 SD_Card.2 | length 94.1
  Layer 1 w0.203: SD_Card.2 6.686,29.763 5.969,30.48 5.969,37.338 6.435,37.804 7.832,37.804 11.938,41.91 26.162,41.91 45.339,22.733 45.339,10.922 50.038,6.223 62.961,6.223 63.881,7.143 1-100.61
USB_N: 101-200.3 USB.2 | length 120.3
  Layer 1 w0.203: USB.2 14.051,12.383 16.858,12.383 18.034,11.207 18.034,3.048 19.177,1.905 72.517,1.905 74.93,4.318 74.93,12.288 52.353,34.866 52.353,39.962 52.353,42.596 52.353,42.892 52.343,42.901 101-200.3
USB_P: 101-200.5 USB.3 | length 121
  Layer 1 w0.203: USB.3 14.051,12.002 16.7,12.002 17.653,11.049 17.653,2.89 19.019,1.524 72.675,1.524 75.311,4.16 75.311,12.446 52.734,35.023 52.734,39.962 52.734,42.892 52.743,42.901 101-200.5
VCC_5V: 1-100.77 1-100.79 1-100.81 1-100.83 1-100.85 1-100.87 ?.1@93.599,73.787 ?.1@116.459,64.528 INA_BP.1 INA_Pow.7 INA_TP.1 Reg.1 shunt.2 USB_JMP.2 | length 253.7
  Layer 1 w0.203: v1(66.167,5.969) 66.249,5.969 67.081,6.801 1-100.77 ; v1(67.183,5.842) 67.183,5.924 67.479,6.221 67.479,9.269 1-100.79 ; 1-100.81 67.881,5.906 v1(68.199,5.588) ; 1-100.83 68.281,7.03 v1(68.707,6.604) ; 1-100.85 68.681,7.646 70.046,6.281 70.046,6.027 v1(70.104,5.969) ; 1-100.87 69.081,7.881 70.358,6.604 v1(70.993,6.604)
  Layer 1 w0.381: ?.1@116.459,64.528 116.459,61.849 115.697,61.087 136.652,61.087 137.922,62.357 137.922,76.454 138.684,77.216 139.827,77.216 INA_TP.1
  Layer 1 w0.508: v1(78.994,4.572) 83.439,9.017 104.394,9.017 107.154,11.777 107.154,59.055 ; Reg.1 93.408,72.199 93.599,72.39 ; ?.1@93.599,73.787 93.599,72.39 ; v2(96.088,70.358) 96.019,70.358 95.26,71.117 94.872,71.117 93.599,72.39 ; v2(99.314,70.358) 105.026,70.358 105.728,69.657 105.728,69.652 106.172,69.208 INA_Pow.7 106.172,66.421 107.315,65.278 107.315,63.534 shunt.2 107.154,59.055 ; 115.697,61.087 115.697,58.845 114.256,57.404 110.998,57.404 INA_BP.1 107.154,59.055
  Layer 4 w0.381: 64.77,4.572 v1(66.167,5.969) ; 67.183,4.572 v1(67.183,5.842) ; v1(68.199,5.588) 69.215,4.572 ; v1(68.707,6.604) 68.731,6.58 68.731,6.286 69.85,5.167 69.85,4.699 69.977,4.572 ; v1(70.104,5.969) 70.739,5.334 70.739,4.572 ; v1(70.993,6.604) 71.755,5.842 71.755,4.572
  Layer 4 w0.508: USB_JMP.2 24.384,10.922 24.384,7.112 26.924,4.572 64.77,4.572 67.183,4.572 69.215,4.572 69.977,4.572 70.739,4.572 71.755,4.572 v1(78.994,4.572) ; v2(96.088,70.358) v2(99.314,70.358)
VCC_5V_in: ?.1@117.729,73.914 INA_BP.2 INA_Pow.8 J?.1 shunt.1 | length 43.2
  Layer 1 w0.508: INA_Pow.8@107.442,68.523 INA_Pow.8 INA_Pow.8@107.442,67.991 ; shunt.1 109.254,63.153 109.22,63.119 109.22,61.722 INA_BP.2 ; shunt.1@109.254,63.5 109.254,64.863 107.442,66.675 INA_Pow.8@107.442,67.991 ; ?.1@117.729,73.914 117.729,72.561 116.923,71.755 ; J?.1 132.308,66.644 131.847,67.106 131.847,68.559 128.651,71.755 116.923,71.755 ; INA_Pow.8@107.442,67.991 107.488,67.945 110.49,67.945 114.3,71.755 116.923,71.755
pads on no net: 1-100.16 1-100.18 1-100.19 1-100.20 1-100.21 1-100.24 1-100.25 1-100.26 1-100.27 1-100.28 1-100.29 1-100.30 1-100.31 1-100.34 1-100.35 1-100.36 1-100.38 1-100.39 1-100.40 1-100.41 1-100.44 1-100.45 1-100.46 1-100.47 1-100.48 1-100.49 1-100.50 1-100.51 1-100.54 1-100.55 1-100.64 1-100.68 1-100.70 1-100.72 1-100.73 1-100.75 1-100.76 1-100.88 1-100.89 1-100.90 1-100.91 1-100.92 1-100.94 1-100.95 1-100.96 101-200.2 101-200.4 101-200.6 101-200.9 101-200.10 101-200.11 101-200.12 101-200.16 101-200.18 101-200.22 101-200.24 101-200.28 101-200.30 101-200.33 101-200.34 101-200.35 101-200.36 101-200.39 101-200.40 101-200.41 101-200.42 101-200.51 101-200.53 101-200.57 101-200.59 101-200.63 101-200.65 101-200.69 101-200.70 101-200.71 101-200.72 101-200.75 101-200.76 101-200.77 101-200.78 101-200.81 101-200.82 101-200.83 101-200.84 101-200.87 101-200.88 101-200.89 101-200.90 101-200.93 101-200.94 101-200.95 101-200.96 101-200.99 101-200.100 BNO085.1 BNO085.7 BNO085.8 BNO085.12 BNO085.13 BNO085.18 BNO085.21 BNO085.22 BNO085.23 BNO085.24 BNO085.25 BNO085.27 CAM.2 CAM.3 CAM.5 CAM.6 CAM.8 CAM.9 CAM.11 CAM.12 CAM.12_1 CAM.13 CAM.14 CAM.15 ETH_MAG. ETH_MAG.15 H?.1 HDMI.14 J?.3 USB.
copper on no net:
  other v3: 2.413,2.286 148.59,2.54 113.157,19.812 143.129,19.939 113.157,49.784 143.129,49.911 2.286,78.359 148.59,78.486
  other v4: 6.096,1.651 144.78,1.778 5.969,78.994 144.907,78.994

## Polygon pours and split planes (outlines as drawn)
GND on Layer 2 "GND_L02_P000" (solid, pour order 0): 0,0 151.003,0 151.003,80.645 0,80.645
GND on Layer 3 "GND_L03_P001" (solid, pour order 1): 0,0 151.003,0 151.003,80.645 0,80.645

## Silkscreen, mask and mechanical layers (free items; w line width, h text height)
Top Overlay:
  drawing of 18 lines, arcs and shapes, not listed